# Altium PCB FMC_SDR.PcbDoc (part 4 of 4)
Units mm, origin at the board's own origin, x right, y up, seen from the top; angles counter-clockwise.
Board outline 83.63 x 69 mm, 8 copper layers (Top, Int1 [signals], Int2 [GND], Int3 [high speed], Int4 [high speed], Int5 [GND/PWR], Int6 [GND/PWR], Bottom), stack 1.579 mm thick; 242 components, 142 nets, 831 pads, 1051 vias.
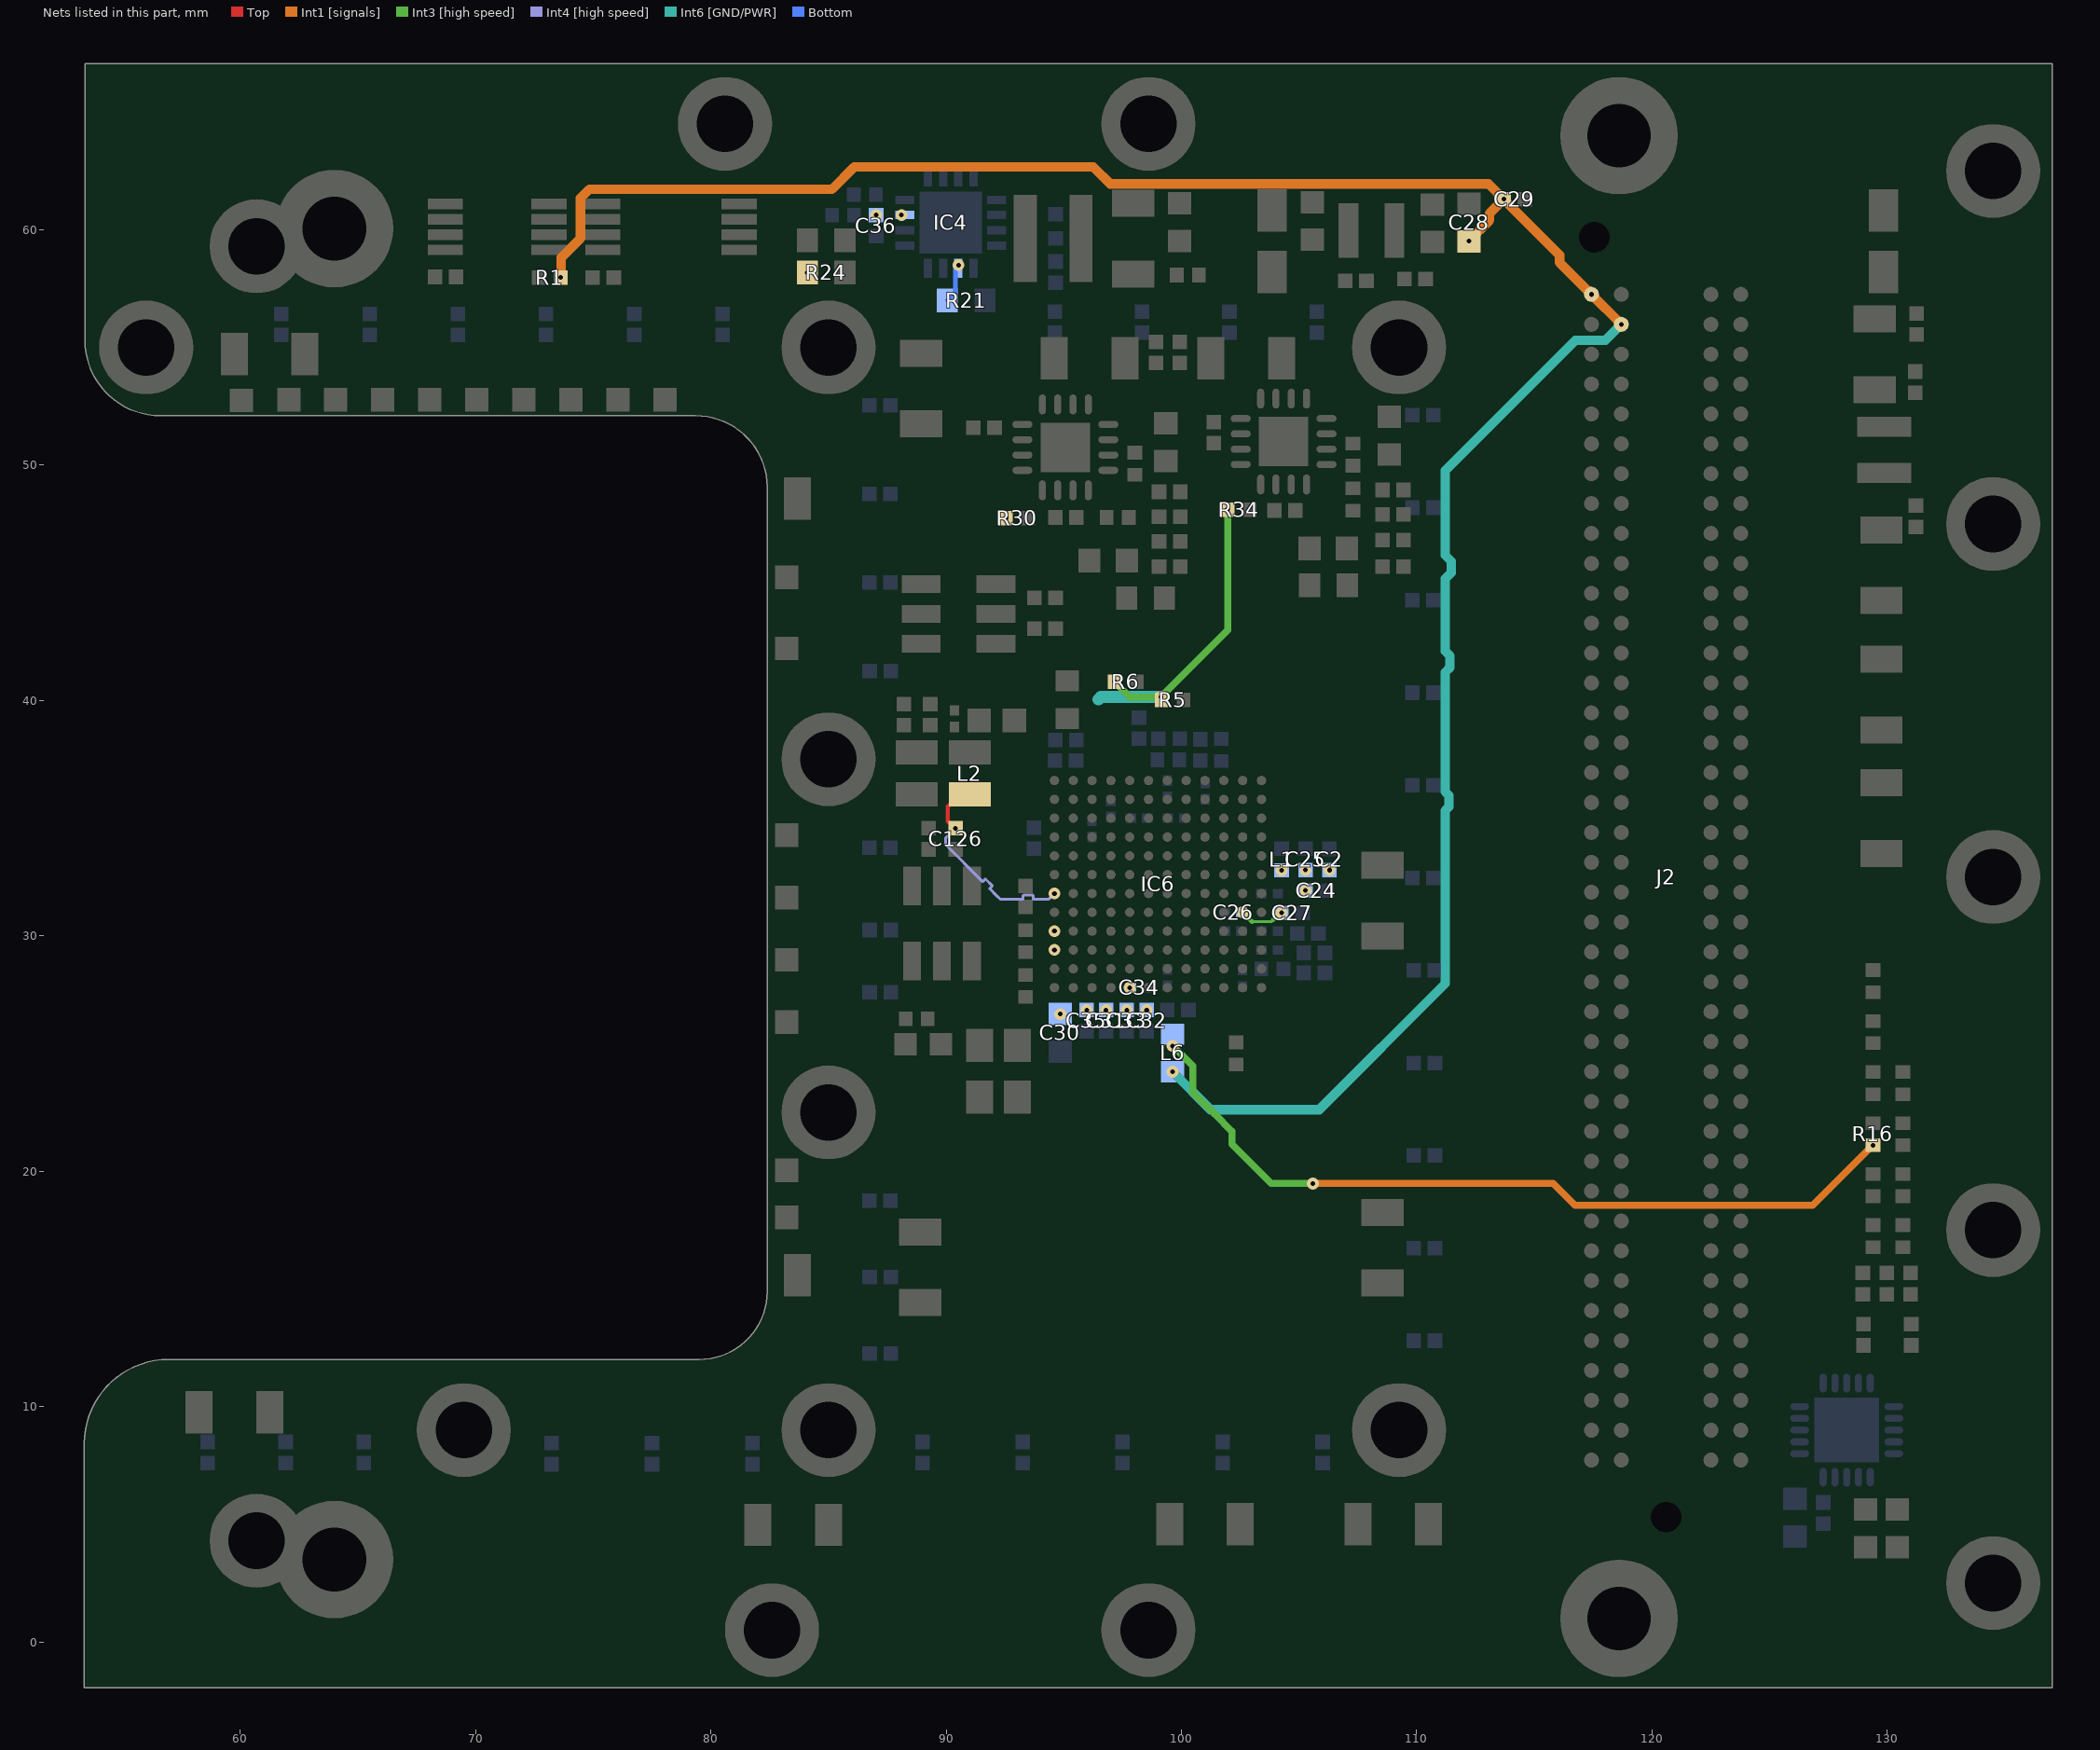
[diagram p10: the nets of this part, all layers, seen from the top]

## Via types
v1: diameter 0.5/0.5/0.5/0.5/0.5/0.5/0.5/0.5 (per signal layer), hole 0.2, Top to Bottom, tented both sides, 564 vias
v2: diameter 0.5/0.4/0.4/0.4/0.4/0.4/0.4/0.5 (per signal layer), hole 0.2, Top to Bottom, tented both sides, 182 vias
v3: diameter 0.5, hole 0.2, Top to Bottom, tented both sides, 163 vias
v4: diameter 0.6, hole 0.3, Top to Bottom, tented both sides, 118 vias
v5: diameter 0.5/0.5/0.5/0.5/0.5/0.5/0.5/0.5 (per signal layer), hole 0.2, Top to Bottom, 18 vias
v6: diameter 0.5, hole 0.2, Top to Bottom, 6 vias

## Nets (pads, with @x,y where several pads share a name; then routed paths per layer and width w, separated by ;. In a path a pad name is that pad's centre, name@x,y a point inside that pad or via, vN(x,y) a via of type N, cw(c..) or ccw(c..) an arc to the next point about the centre after c; other vN are vias at no path point) (continued)
TXA_P: C126.2 IC6.M7 L2.1 | length 9.4
  Top w0.18: v1(90.4,34.575) 90.18,34.795 90.147,34.795 90.065,34.877 90.065,35.485 90.17,35.59 90.58,35.59 L2.1@91,36.01
  Int4 [high speed] w0.12: v1(90.4,34.575) 89.985,34.16 89.985,33.87 91.537,32.317 ccw(c91.552,32.332) 91.567,32.317 91.654,32.404 cw(c91.669,32.389) 91.684,32.404 91.951,32.137 cw(c91.936,32.122) 91.951,32.107 91.864,32.02 ccw(c91.879,32.005) 91.864,31.991 92.146,31.708 92.295,31.56 93.254,31.56 ccw(c93.254,31.581) 93.275,31.581 93.275,31.704 cw(c93.296,31.704) 93.296,31.725 93.674,31.725 cw(c93.674,31.704) 93.695,31.704 93.695,31.581 ccw(c93.716,31.581) 93.716,31.56 94.115,31.56 94.325,31.56 94.363,31.56 v2(94.603,31.8)
TXB_N: IC6.M10
  other v2: 94.603,29.4
TXB_P: IC6.M9
  other v2: 94.603,30.2
VADJ: C28.2 C29.2 J2.g39 J2.h40 L6.1 R1.2 | length 100.7
  Int1 [signals] w0.4: v1(73.625,57.975) 73.644,57.994 73.644,58.821 74.46,59.637 74.46,61.344 74.841,61.725 85.15,61.725 86.09,62.665 96.26,62.665 96.975,61.95 113.05,61.95 v1(113.7,61.3) ; v1(112.217,59.525) 113.099,60.407 113.099,60.699 v1(113.7,61.3) ; v3(118.695,55.986) v3(117.425,57.256) 116.076,58.605 116.076,58.924 v1(113.7,61.3)
  Int6 [GND/PWR] w0.4: v2(99.625,24.225) 101.238,22.612 105.856,22.612 111.21,27.966 111.21,35.326 111.365,35.481 111.365,35.969 111.21,36.124 111.21,41.201 111.415,41.406 111.415,41.894 111.21,42.099 111.21,45.176 111.465,45.431 111.465,45.919 111.21,46.174 111.21,49.769 116.746,55.306 118.015,55.306 v3(118.695,55.986)
VDD_INTERFACE: C30.2 C31.2 C32.2 C33.2 C34.2 C35.2 IC6.H12 L6.2 R5.1 R6.1 R16.2 R30.2 R34.2 | length 48.7
  Int3 [high speed] w0.3: v1(97.16,40.8) 97.81,40.15 v1(99.125,40.15) 101.968,42.993 v1(101.968,48.108) ; v2(99.625,25.325) 100.481,24.469 100.481,23.355 101.145,22.691 101.161,22.691 101.407,22.445 101.407,22.429 102.146,21.691 102.146,21.143 103.075,20.214 103.814,19.475 v1(105.588,19.475)
  Int1 [signals] w0.3: v1(105.588,19.475) 115.801,19.475 116.726,18.55 126.837,18.55 v1(129.391,21.104)
  Int6 [GND/PWR] w0.5: 96.475,40.05 96.575,40.15 v1(99.125,40.15)
  other v1: 92.545,47.752
  other v2: 94.85,26.675 95.975,26.85 96.8,26.85 97.675,26.85 98.525,26.85 97.803,27.8
VDDA_GPO: C2.2 C24.2 C25.2 C26.2 C27.2 IC6.B8 L1.2 | length 2
  Int3 [high speed] w0.12: 103.003,30.6 103.821,30.6 103.91,30.689
  Int3 [high speed] w0.2: v2(102.603,31) 103.003,30.6 ; 103.91,30.689 104.196,30.975 v2(104.25,30.975)
  other v2: 105.275,31.925 104.259,32.783 105.275,32.8 106.291,32.793
VIN: C36.2 IC4.3 IC4.14 R21.2 R24.2 | length 1.7
  Bottom w0.2: R21.2@90.05,57 90.4,57.35 90.4,58.375 v1(90.525,58.5)
  other v1: 84.1,58.182 87.025,60.625 88.1,60.625
pads on no net: IC1.12 IC6.A3 IC6.M3 J2.1 J2.2 J2.c2 J2.c3 J2.c6 J2.c7 J2.d4 J2.d5 J2.d21 J2.d29 J2.d33 J2.d34 J2.g36 J2.g37 J2.h1 J2.h5 U1.8 U2.8
copper on no net:
  other v1: 127.525,13.15 130.661,25.439

## Polygon pours and split planes (outlines as drawn)
no net on Top "balancingT" (solid, pour order 122): 53.375,-1.95 53.365,8.144 cw(c56.996,8.369) 56.771,12 79.294,12 ccw(c79.482,14.918) 82.4,14.73 82.4,49.05 ccw(c79.35,49.05) 79.35,52.1 56.609,52.1 cw(c56.609,55.309) 53.4,55.309 53.4,67.05 137,67.05 137,-1.95 131.825,-1.95
GND on Top "GND_L01_P120" (solid, pour order 120): 121.175,26.575 121.475,26.275 124.1,26.275 124.425,26.6 124.425,28.4 124.175,28.65 123.45,28.65 123.15,28.35 123.15,27.725 122.7,27.275 121.425,27.275 121.175,27.025
no net on Bottom "balancingT" (solid, pour order 128): 53.36,-2.025 53.35,8.069 cw(c56.981,8.294) 56.756,11.925 79.279,11.925 ccw(c79.467,14.843) 82.385,14.655 82.385,48.975 ccw(c79.335,48.975) 79.335,52.025 56.594,52.025 cw(c56.594,55.234) 53.385,55.234 53.385,66.975 136.985,66.975 136.985,-2.025 131.81,-2.025
GND on Bottom "GND_L08_P126" (solid, pour order 126): 86.567,26.512 86.567,7.917 86.85,7.634 108.673,7.634 110.95,9.911 110.95,54.775 109.275,56.45 86.687,56.45 86.625,56.387 86.625,27.675 89,27.675 89,51.485 cw(c91.54,51.485) 91.54,54.025 105.76,54.025 cw(c105.76,51.485) 108.3,51.485 108.3,12.565 cw(c105.76,12.565) 105.76,10.025 91.527,10.025 cw(c91.527,12.565) 88.987,12.565 88.987,27.675 86.575,27.675 86.575,26.25
SH on Bottom "SH_L08_P096" (solid, pour order 96): 87.075,7 108.735,7 ccw(c108.735,9.54) 111.275,9.54 111.275,54.485 ccw(c108.735,54.485) 108.735,57.025 87.075,57.025 87.075,56.075 110.381,56.075 110.381,7.9 87.075,7.9
GND on Bottom "GND_L08_P098" (solid, pour order 98): 53.375,-1.95 53.375,8.492 cw(c56.882,8.492) 56.882,11.999 79.5,12 ccw(c79.475,14.925) 82.4,14.95 82.4,49.009 ccw(c79.33,49.03) 79.35,52.1 56.608,52.1 cw(c56.592,55.292) 53.4,55.277 53.4,67.05 55.275,67.05 55.275,56.036 86,56.036 86,8.025 55.275,8.025 55.275,-1.95
SH on Bottom "SH_L08_P000" (solid, pour order 0): 56,7 87.075,7 87.075,57.025 55.9,57.025 55.9,56.05 86.031,56.05 86.031,7.925 56,7.925 56,7.35
GND on Int1 [signals] "GND_L02_P108" (hatched 45Degree grid 0.5 track 0.3, pour order 108): 53.375,-1.95 53.364,8.144 cw(c56.996,8.369) 56.771,12 79.293,12 ccw(c79.481,14.918) 82.4,14.73 82.4,49.05 ccw(c79.35,49.05) 79.35,52.1 56.608,52.1 cw(c56.608,55.309) 53.4,55.309 53.4,67.05 137,67.05 137,-1.95 131.825,-1.95
SH on Int1 [signals] "SH_L02_P060" (hatched 90Degree grid 0.5 track 0.3, pour order 60): 53,-2 53,9.025 131.79,9.025 131.79,62.55 66.711,62.55 66.711,52 56.227,52 cw(c56.227,55.227) 53,55.227 53,67 137,67 137,-2 127.625,-2
no net on Int1 [signals] "NONET_L02_P092" (hatched 45Degree grid 0.6 track 0.4, pour order 92): 104.3,53.325
GND on Int6 [GND/PWR] "GND_L07_P114" (hatched 45Degree grid 0.65 track 0.45, pour order 114): 137,-1.95 137,67.05 53.4,67.05 53.4,55.262 ccw(c56.601,55.301) 56.641,52.099 79.355,52.095 cw(c79.344,49.041) 82.398,49.029 82.4,14.713 cw(c79.472,14.927) 79.258,12 56.824,12 ccw(c56.956,8.407) 53.363,8.274 53.375,-1.95
P3V3 on Int6 [GND/PWR] "P3V3_L07_P086" (hatched 45Degree grid 0.65 track 0.45, pour order 86): 116.821,61.667 121.322,61.667 124.425,58.564 124.425,53.225 123.975,52.775 123.569,52.775 122.043,51.25 121.625,51.25 118.695,48.32 118.695,28.445 113.9,23.65 111.9,25.65 111.9,50.475 116.821,55.396
VDD_INTERFACE on Int6 [GND/PWR] "VDD_INTERFACE_L07_P080" (hatched 45Degree grid 0.65 track 0.45, pour order 80): 94.55,29.263 89.054,34.759 89.054,39.579 89.275,39.8 99.262,39.8 102.908,43.446 102.908,49.25 99.564,49.25 92.138,49.25 86.331,43.443 86.331,32.186 91.986,26.531
VDD_INTERFACE on Int6 [GND/PWR] "VDD_INTERFACE_L07_P026" (solid, pour order 26): 93.35,25.15 91.451,27.049 94.603,30.2 96.2,30.2 98.7,27.7 98.7,26.425 98.975,26.15 100.05,26.15 100.425,25.775 100.425,25.425 100.15,25.15
1P3_SUPPLY_B on Int6 [GND/PWR] "1P3_SUPPLY_B_L07_P082" (hatched 45Degree grid 0.65 track 0.45, pour order 82): 104.825,26.175 109.3,26.175 111.669,28.544 111.669,42.567 108.036,46.2 103.005,46.2 103.005,43.195 103.613,42.587 103.613,35.3 106.775,35.3 107.175,34.9 107.175,30.925 104.825,28.575
P3V3 on Int6 [GND/PWR] "P3V3_L07_P090" (hatched 45Degree grid 0.65 track 0.45, pour order 90): 82.025,12.55 107.375,12.55 118.695,23.87 118.695,28.445 111.689,28.445 107.494,24.25 95.709,24.25 89.334,17.875 83.9,17.875 82.025,16
1P3_SUPPLY_A on Int6 [GND/PWR] "1P3_SUPPLY_A_L07_P030" (solid, pour order 30): 103.4,35.15 103.4,42.8 100.75,45.45 99.6,45.45 97.6,43.45 97.6,35.15
VIN on Int6 [GND/PWR] "VIN_L07_P040" (solid, pour order 40): 83.35,59.825 83.35,58.334 84.334,57.35 91.275,57.35 91.725,57.8 91.725,58.8 91.525,59 91.525,59.95 90.5,60.975 84.5,60.975
P3V3_AUX on Int6 [GND/PWR] "P3V3_AUX_L07_P074" (hatched 45Degree grid 0.65 track 0.45, pour order 74): 130.2,5.45 132,7.25 131.95,7.3 131.95,20.375 131.8,20.525 130.85,20.525 125.53,15.205 125.53,5.45
P1V8 on Int6 [GND/PWR] "P1V8_L07_P038" (solid, pour order 38): 96.175,60.15 92.575,63.75 87.325,63.75 85.375,61.8 85.375,60.525 85.875,60.025 86.35,60.025 86.525,60.2 86.525,60.6 87.075,61.15 90.825,61.15 91.9,60.075
NetC39_1 on Int6 [GND/PWR] "NETC39_1_L07_P084" (hatched 45Degree grid 0.65 track 0.45, pour order 84): 103.06,46.2 107.737,46.2 109.441,47.904 109.441,56.909 108.35,58 108.35,61.775 107.85,62.275 103.506,62.275 102.225,60.994 102.225,59.436 104.425,57.236 104.425,52.35 104.225,52.15 103.653,52.15 103.403,51.9 103.403,49.978 102.9,49.475 103.06,49.315
SH on Int6 [GND/PWR] "SH_L07_P018" (hatched 45Degree grid 0.65 track 0.45, pour order 18): 53,8.467 cw(c56.533,8.467) 56.533,12 110.441,12 117.195,5.246 130.307,5.246 132.25,7.188 132.25,59.016 131.126,60.14 122.849,60.14 120.829,62.16 111.875,62.16 111.123,62.911 103.486,62.911 101.075,60.5 96.3,60.5 92.766,64.034 87.259,64.034 83.15,59.926 83.15,58.534 84.641,57.042 87.475,57.042 88.26,56.257 88.26,52.216 86.919,50.874 86.919,40.469 86.55,40.1 86.55,18.907 86.058,18.415 84.115,18.415 83.03,17.33 83.03,10.65 81.675,10.65 81.675,13.475 81.65,13.5 82,13.85 82,49.46 ccw(c79.46,49.46) 79.46,52 56.227,52 cw(c56.227,55.227) 53,55.227 53,67 137,67 137,-2 53,-2
P1V8 on Int6 [GND/PWR] "P1V8_L07_P046" (hatched 45Degree grid 0.65 track 0.45, pour order 46): 91.575,60.15 91.575,50.75 93.025,49.3 102.7,49.3 103.403,50.003 103.403,51.9 103.653,52.15 104.225,52.15 104.425,52.35 104.425,57.236 101.511,60.15
VDDA_GPO on Int6 [GND/PWR] "VDDA_GPO_L07_P036" (solid, pour order 36): 106.225,29.975 106.825,30.575 106.825,35.1 103.425,35.1 103.425,30.35 103.8,29.975
1P3_SUPPLY_B on Int6 [GND/PWR] "1P3_SUPPLY_B_L07_P056" (solid, pour order 56): 88.8,39.6 88.8,36.953 92.15,36.953 92.15,39.6
1P3_SUPPLY_B on Int6 [GND/PWR] "1P3_SUPPLY_B_L07_P042" (solid, pour order 42): 89.402,34.601 89.402,36.604 89.264,36.989 91.863,39.587 101.725,29.725 105.925,29.725 105.925,27.275 104.825,26.175 97.828,26.175
P3V3 on Int6 [GND/PWR] "P3V3_L07_P078" (hatched 45Degree grid 0.65 track 0.45, pour order 78): 120.625,55.187 119.262,56.55 111.925,56.55 111.125,57.35 111.125,61.375 111.55,61.8 117.3,61.8 121,58.1 120.625,57.725
1P3_SUPPLY_B on Int6 [GND/PWR] "1P3_SUPPLY_B_L07_P028" (solid, pour order 28): 100.203,34.2 103.425,34.2 103.425,35.301 104.126,35.301 104.126,37.838 100.448,37.838 100.448,35.347 100.203,35.347
1P3_SUPPLY_A on Int6 [GND/PWR] "1P3_SUPPLY_A_L07_P032" (solid, pour order 32): 95.075,34.925 95.375,34.625 97.35,34.625 97.35,33.4 101.83,28.92 103.4,28.92 103.4,35.15 98.898,39.652 95.57,39.652 95.075,39.157
P12V0 on Int6 [GND/PWR] "P12V0_L07_P022" (hatched 45Degree grid 0.65 track 0.45, pour order 22): 131.95,50.6 131.95,42.337 130.852,41.238 127.5,41.238 123.129,45.609 123.129,53.75 125.625,53.75 128.775,50.6
P3V3 on Int6 [GND/PWR] "P3V3_L07_P054" (solid, pour order 54): 122.505,51.714 121.561,51.714 120.625,52.65 120.625,57.725 121,58.1 122.747,56.353 122.747,51.956
P3V3_AUX on Int6 [GND/PWR] "P3V3_AUX_L07_P008" (hatched 45Degree grid 0.65 track 0.45, pour order 8): 67.35,57.285 77.05,57.285 77.05,61.4 67.35,61.4
P12V0A on Int6 [GND/PWR] "P12V0A_L07_P034" (hatched 45Degree grid 0.65 track 0.45, pour order 34): 128.075,59.6 131.126,59.6 131.975,58.751 131.975,51.3 131.95,51.275 131.95,50.6 128.775,50.6 128.775,53.002 128.552,53.225 128.552,54.748 127.725,55.575 127.725,59.226 128.075,59.576
P3V3 on Int6 [GND/PWR] "P3V3_L07_P076" (solid, pour order 76): 108.35,61.775 108.35,58 109,57.35 111.125,57.35 111.55,57.775 111.55,61.8 110.95,62.4 108.975,62.4
no net on Int6 [GND/PWR] "NONET_L07_P064" (hatched 45Degree grid 0.65 track 0.45, pour order 64): 122.025,54.1
GND on Int5 [GND/PWR] "GND_L06_P088" (hatched 45Degree grid 0.6 track 0.4, pour order 88): 137,-1.95 137,67.05 53.4,67.05 53.4,55.262 ccw(c56.601,55.301) 56.641,52.099 79.355,52.095 cw(c79.344,49.041) 82.398,49.029 82.4,14.713 cw(c79.472,14.927) 79.258,12 56.824,12 ccw(c56.956,8.407) 53.363,8.274 53.375,-1.95
NetC57_2 on Int5 [GND/PWR] "NETC57_2_L06_P052" (solid, pour order 52): 96.352,51.133 96.352,50.435 96.754,50.033 98.177,50.033 98.577,49.633 98.577,47.387 97.3,46.11 97.3,43.952 97.577,43.675 98.275,43.675 98.5,43.9 98.5,44.095 99.564,45.159 99.564,49.464 99.85,49.75 99.85,50.575 99.6,50.825 98.919,50.825 96.621,53.123 95.278,53.123 95.033,52.877 95.033,52.453
P12V0 on Int5 [GND/PWR] "P12V0_L06_P016" (hatched 45Degree grid 0.6 track 0.4, pour order 16): 123.775,49.636 109.814,49.636 106.1,53.35 95.525,53.35 88.05,45.875 82.525,45.875 82.525,50.725 85,50.725 96.575,62.3 120.125,62.3 125.35,57.075 125.35,51.211
NetC39_1 on Int5 [GND/PWR] "NETC39_1_L06_P014" (hatched 45Degree grid 0.6 track 0.4, pour order 14): 91.6,59.6 90.425,58.425 90.425,57.75 91.275,56.9 106.75,56.9 107.875,58.025 107.875,61.7 107.325,62.25 96.625,62.25 95.975,61.6 93.95,61.6 93.95,58.45 93.725,58.225 92.925,58.225 92.675,58.475
NetIC4_9 on Int5 [GND/PWR] "NETIC4_9_L06_P010" (solid, pour order 10): 91.975,59.35 92.925,58.4 93.75,58.4 93.9,58.55 93.9,61.65 91.775,61.65 91.65,61.525 91.65,59.65 91.975,59.325
NetC73_2 on Int5 [GND/PWR] "NETC73_2_L06_P050" (solid, pour order 50): 105.752,51.483 105.752,50.786 106.154,50.384 107.577,50.384 107.977,49.984 107.977,47.738 106.7,46.461 106.7,44.425 107.88,44.425 108.964,45.509 108.964,49.815 109.25,50.101 109.25,50.926 109,51.176 108.319,51.176 106.021,53.473 104.678,53.473 104.433,53.228 104.433,52.803
no net on Int3 [high speed] "NONET_L04_P066" (hatched 45Degree grid 0.6 track 0.4, pour order 66): 102.603,30.2
no net on Int3 [high speed] "NONET_L04_P048" (hatched 45Degree grid 0.6 track 0.4, pour order 48): 90.725,59.95
GND on Int2 [GND] "GND_L03_P112" (hatched 45Degree grid 0.55 track 0.35, pour order 112): 53.421,-1.95 53.411,8.144 cw(c57.042,8.369) 56.817,12 79.34,12 ccw(c79.528,14.918) 82.446,14.73 82.446,49.05 ccw(c79.396,49.05) 79.396,52.1 56.655,52.1 cw(c56.655,55.309) 53.446,55.309 53.446,67.05 137.046,67.05 137.046,-1.95 131.871,-1.95
GND on Int2 [GND] "GND_L03_P011" (solid, pour order 11): 94.075,25.499 105.781,25.5 105.781,38.911 94.075,38.911
no net on Bottom Solder (solid): 53.375,57.35 53.375,55.333 ccw(c56.608,55.333) 56.608,52.1 79.35,52.1 cw(c79.35,49.051) 82.399,49.051 82.399,14.899 cw(c79.499,14.899) 79.499,12 56.95,12 ccw(c56.95,8.425) 53.375,8.425 53.375,6.597 111.65,6.597 111.65,57.35
no net on Bottom Solder (solid): 53.375,7.8 55.675,7.8 55.675,-1.95 53.375,-1.95
no net on Bottom Solder (solid): 53.375,67.05 55.675,67.05 55.675,57.3 53.375,57.3
no net on Top Solder (solid): 83.175,7.45 87.905,7.45 87.905,8.2 87.15,8.2 87.15,11.3 85.023,11.3 85.023,9.325 82.8,9.325 82.8,7.45 83.225,7.45
no net on Top Solder (solid): 53.4,67.05 53.4,55.308 ccw(c56.608,55.308) 56.608,52.1 58.55,52.1 58.55,67.05
no net on Top Solder (solid): 86.9,56.909 86.9,55.9 110.175,55.9 110.175,56.909
no net on Top Solder (solid): 107.852,7.434 108.676,8.258 107.801,9.133 107.597,9.133 106.851,8.387 106.851,7.434
no net on Top Solder (solid): 84.9,24.675 86.125,24.675 86.125,20.225 84.9,20.225
no net on Top Solder (solid): 82.375,38.675 82.375,36.625 83.65,36.625 85.075,35.2 86.025,35.2 86.025,39.675 85.95,39.75 85.313,39.75 84.238,38.675
no net on Top Solder (solid): 111.3,21.45 111.3,9.844 110.44,8.983 110.44,21.265 110.65,21.475 111.325,21.475
no net on Top Solder (solid): 110.775,21.875
no net on Top Solder (solid): 110.775,52.125 110.375,52.125 109.481,53.019 109.481,53.875 110.475,53.875 110.825,53.525 110.775,53.475
1P3_SUPPLY_A on Int4 [high speed] "1P3_SUPPLY_A_L05_P068" (solid, pour order 68): 102.203,30.425 104.6,30.425 105.85,30.425 106.65,29.625 106.65,28.25 105.9,27.5 105.35,27.5 104.375,28.475 103.293,28.475 102.768,29 102.437,29 102.203,29.234

## Keep-outs
Keep-Out Layer:
  drawing of 4940 lines, arcs and shapes, not listed

## Other copper
Top:
  region net SH: 79.376,56.09 108.787,56.09 cw(c108.787,54.463) 109.938,55.613 cw(c108.957,54.632) 110.344,54.632 110.344,21 111.244,21.002 111.244,55.545 ccw(c109.818,55.545) 110.827,56.553 ccw(c109.784,55.511) 109.784,56.985 79.377,56.985
  region net SH: 110.34,38.874 110.34,9.463 cw(c108.713,9.462) 109.863,8.312 cw(c108.882,9.293) 108.882,7.906 84.3,7.906 84.301,7.006 109.795,7.006 ccw(c109.795,8.432) 110.803,7.423 ccw(c109.761,8.466) 111.235,8.466 111.235,38.873
  region net SH: 55.899,56.052 84.508,56.052 cw(c84.508,54.426) 85.658,55.576 cw(c84.677,54.595) 86.064,54.595 86.064,36.958 86.965,36.959 86.965,55.508 ccw(c85.539,55.508) 86.547,56.516 ccw(c85.505,55.473) 85.504,56.948 55.901,56.948
  region net SH: 86.09,38.874 86.09,9.463 cw(c84.463,9.462) 85.613,8.312 cw(c84.632,9.293) 84.632,7.906 56,7.906 56.001,7.006 85.545,7.006 ccw(c85.545,8.432) 86.553,7.423 ccw(c85.511,8.466) 86.985,8.466 86.985,38.873
  pour cut-out: 67.85,6.415 81.075,6.415 81.075,3.475 67.825,3.475 67.825,6.425
  region net SH: 54.75,6 54.75,-1.95 137,-1.95 137,67.05 54.75,67.05 54.75,57.5 66.425,57.5 66.425,62 131.975,62 131.975,3 66.425,3 66.425,6
  region net SH: 56.375,3.725
  text "1" at 68.941,4.536 h0.8
Int2 [GND]:
  pour cut-out: 68.225,5.936 76.45,5.936 76.45,4.086 68.225,4.086
  text "3" at 70.616,4.561 h0.8
Int3 [high speed]:
  pour cut-out: 68.275,5.936 68.275,4.086 76.45,4.086 76.45,5.936
  text "4" at 71.6,4.55 h0.8
Int1 [signals]:
  pour cut-out: 68.309,5.942 76.425,5.942 76.425,4.078 68.309,4.078
  text "2" at 69.641,4.561 h0.8
Int4 [high speed]:
  pour cut-out: 68.25,5.936 76.35,5.936 76.35,4.061 68.25,4.061
  text "5" at 72.525,4.6 h0.8
Int5 [GND/PWR]:
  pour cut-out: 68.325,5.936 76.4,5.936 76.4,4.082 68.325,4.082
  text "6" at 73.4,4.6 h0.8
Int6 [GND/PWR]:
  pour cut-out: 76.525,5.936 76.525,4.125 68.125,4.125 68.125,5.936
  text "7" at 74.275,4.594 h0.8
Bottom:
  pour cut-out: 66.89,6.375 66.89,2.675 74.5,2.675 74.5,6.275 66.925,6.275
  pour cut-out: 89.1,57.25 89.1,55.525 92.7,55.525 92.7,57.725 89.1,57.725
  text "8" at 75.2,4.65 h0.8

## Silkscreen, mask and mechanical layers (free items; w line width, h text height)
Top Overlay:
  text ".Layer_Name" at 104.16,-33.39 h1.91
Bottom Overlay:
  text ".Layer_Name" at 142.26,-33.39 h1.91
Top Paste:
  text ".Layer_Name" at 104.16,-38.47 h1.91
Bottom Paste:
  text ".Layer_Name" at 142.26,-38.47 h1.91
Top Solder:
  circle w0.8: c69.531,8.975 r1.25
  circle w0.8: c85.008,55.034 r1.25
  circle w0.8: c85.031,22.5 r1.25
  circle w0.8: c56.006,55 r1.25
  circle w0.8: c85.008,37.475 r1.25
  circle w0.8: c85.008,8.975 r1.25
  circle w0.8: c109.248,55 r0.8
  circle w0.8: c109.256,9 r0.8
  rectangle: 68.275,4.25 76.675,5.825
  region: 53.375,7.15 53.374,-1.95 137,-1.95 137,67.05 54.35,67.05 54.35,57.1 66.825,57.1 66.825,61.6 131.575,61.6 131.575,3.4 66.825,3.4 66.825,7.15
  region: 85.7,39.552 85.7,8.225 53.375,8.225 53.377,6.85 87.075,6.85 87.075,39.549
  region: 109.925,38.875 109.925,7.964 84.3,7.964 84.301,7.188 110.725,7.188 110.725,38.873
  region: 82.466,56.075 110.398,56.075 110.398,21 110.975,21.001 110.975,56.525 82.467,56.525
  region: 55.899,55.8 85.7,55.8 85.7,36.957 87.15,36.96 87.15,57.025 55.901,57.025
  pour cut-out: 93.2,37.935 104.75,37.935 104.75,26.4 93.2,26.4
  region: 79.475,12.125
  lines w0.55: 83.5,36.161 ccw(c85.008,37.475) 84.702,35.499 cw(c84.473,34.016) 85.973,34.016 85.973,25.957
  lines w0.8: 53.732,7 109.731,7 ccw(c109.731,8.5) 111.231,8.5 111.231,8.718 ccw(c109.248,8.975) 111.231,9.232 111.231,54.743 ccw(c109.248,55) 111.231,55.257 111.231,55.475 ccw(c109.731,55.475) 109.731,56.975 53.806,56.975 ; 53.732,7.85 66.071,7.85 ; 55.146,53.015 56.155,53.015 ccw(c55.996,55.009) 57.972,54.704 ; 58.15,54.95 cw(c59.369,54.95) 59.369,56.169 59.458,56.169 81.556,56.169 81.764,56.169 cw(c81.764,54.899) 83.034,54.899 ; 66.284,7.85 ccw(c66.284,9.12) 67.554,9.12 67.554,9.275 cw(c69.531,8.975) 71.509,9.275 ; 71.509,9.095 ccw(c72.779,9.095) 72.779,7.825 82.175,7.825 ccw(c82.175,8.681) 83.031,8.681 83.031,9.275 cw(c85.008,8.975) 84.702,10.952 ccw(c84.473,12.434) 85.973,12.434 85.973,19.043 ccw(c84.473,19.043) 84.709,20.525 cw(c85.023,22.5) 84.709,24.475 ccw(c84.473,25.957) 85.973,25.957 ; 72.992,7.8 81.548,7.8 ; 82.375,36.725 cw(c82.375,35.225) 83.506,36.211 ; 82.375,38.675 83.408,38.675 cw(c85.008,37.475) 84.702,39.451 ccw(c84.473,40.934) 85.973,40.934 85.973,51.575 ccw(c84.473,51.575) 84.702,53.057 cw(c85.008,55.034) 83.034,54.714 ; 88.304,56.11 ccw(c88.304,54.629) 86.823,54.629 86.823,9.605 ccw(c88.575,9.605) 88.575,7.853 ; 88.304,56.125 105.788,56.125 106.001,56.125 cw(c106.001,54.855) 107.271,54.855 ; 88.575,7.8 105.818,7.8 106.001,7.8 ccw(c106.001,9.07) 107.271,9.07 ; 107.259,8.764 cw(c109.248,8.975) 108.953,10.953 ccw(c108.731,12.437) 110.231,12.437 110.231,51.538 ccw(c108.731,51.538) 108.953,53.022 cw(c109.248,55) 107.271,54.7
Bottom Solder:
  drawing of 50 lines, arcs and shapes, not listed
Mechanical 1:
  drawing of 704 lines, arcs and shapes, not listed
  text "Layer" at 149.161,143.284 h1.52
  text "Name" at 159.573,143.284 h1.52
  text "Material" at 186.997,143.284 h1.52
  text "Thickness" at 201.217,143.284 h1.52
  text "Constant" at 217.723,143.284 h1.52
  text "Board Layer Stack" at 232.198,143.284 h1.52
  text "1" at 149.161,140.236 h1.52
  text "Top Solder" at 159.573,140.236 h1.52
  text "SM-001" at 186.997,140.236 h1.52
  text "1,00mil" at 201.217,140.236 h1.52
  text "4" at 217.723,140.236 h1.52
  text "2" at 149.161,137.188 h1.52
  text "Top" at 159.573,137.188 h1.52
  text "Copper" at 186.997,137.188 h1.52
  text "1,38mil" at 201.217,137.188 h1.52
  text "3" at 149.161,134.14 h1.52
  text "Dielectric 1" at 159.573,134.14 h1.52
  text "FR408HR" at 186.997,134.14 h1.52
  text "5,29mil" at 201.217,134.14 h1.52
  text "3,32" at 217.723,134.14 h1.52
  text "4" at 149.161,131.092 h1.52
  text "Int1 [signals]" at 159.573,131.092 h1.52
  text "Copper" at 186.997,131.092 h1.52
  text "1,38mil" at 201.217,131.092 h1.52
  text "5" at 149.161,128.044 h1.52
  text "Dielectric 2" at 159.573,128.044 h1.52
  text "FR408HR" at 186.997,128.044 h1.52
  text "10,00mil" at 201.217,128.044 h1.52
  text "3,68" at 217.723,128.044 h1.52
  text "6" at 149.161,124.996 h1.52
  text "Int2 [GND]" at 159.573,124.996 h1.52
  text "Copper" at 186.997,124.996 h1.52
  text "1,38mil" at 201.217,124.996 h1.52
  text "7" at 149.161,121.948 h1.52
  text "Dielectric 3" at 159.573,121.948 h1.52
  text "FR408HR" at 186.997,121.948 h1.52
  text "5,28mil" at 201.217,121.948 h1.52
  text "3,32" at 217.723,121.948 h1.52
  text "8" at 149.161,118.9 h1.52
  text "Int3 [high speed]" at 159.573,118.9 h1.52
  text "Copper" at 186.997,118.9 h1.52
  text "1,38mil" at 201.217,118.9 h1.52
  text "9" at 149.161,115.852 h1.52
  text "Dielectric 4" at 159.573,115.852 h1.52
  text "FR408" at 186.997,115.852 h1.52
  text "10,00mil" at 201.217,115.852 h1.52
  text "3,68" at 217.723,115.852 h1.52
  text "10" at 149.161,112.804 h1.52
  text "Int4 [high speed]" at 159.573,112.804 h1.52
  text "Copper" at 186.997,112.804 h1.52
  text "1,38mil" at 201.217,112.804 h1.52
  text "R" at 51.005,110.092 h2.8
  text "e" at 52.286,110.092 h2.8
  text "q" at 53.568,110.092 h2.8
  text "u" at 54.849,110.092 h2.8
  text "i" at 56.131,110.092 h2.8
  text "r" at 56.771,110.092 h2.8
  text "e" at 57.572,110.092 h2.8
  text "d" at 58.854,110.092 h2.8
  text "T" at 60.616,110.092 h2.8
  text "e" at 61.737,110.092 h2.8
  text "c" at 63.019,110.092 h2.8
  text "h" at 63.98,110.092 h2.8
  text "n" at 65.261,110.092 h2.8
  text "o" at 66.543,110.092 h2.8
  text "l" at 67.824,110.092 h2.8
  text "o" at 68.465,110.092 h2.8
  text "g" at 69.746,110.092 h2.8
  text "y" at 70.868,110.092 h2.8
  text ":" at 71.989,110.092 h2.8
  text "11" at 149.161,109.756 h1.52
  text "Dielectric 6" at 159.573,109.756 h1.52
  text "FR408HR" at 186.997,109.756 h1.52
  text "5,28mil" at 201.217,109.756 h1.52
  text "3,32" at 217.723,109.756 h1.52
  text "C" at 14.633,106.888 h2.8
  text "A" at 15.914,106.888 h2.8
  text "P" at 17.356,106.888 h2.8
  text "P" at 18.637,106.888 h2.8
  text "E" at 19.919,106.888 h2.8
  text "D" at 21.04,106.888 h2.8
  text "V" at 22.962,106.888 h2.8
  text "I" at 24.404,106.888 h2.8
  text "A" at 25.045,106.888 h2.8
  text "S" at 26.487,106.888 h2.8
  text "A" at 51.97,106.888 h2.8
  text "l" at 53.412,106.888 h2.8
  text "l" at 54.053,106.888 h2.8
  text "s" at 55.174,106.888 h2.8
  text "m" at 56.135,106.888 h2.8
  text "a" at 58.057,106.888 h2.8
  text "l" at 59.179,106.888 h2.8
  text "l" at 59.819,106.888 h2.8
  text "v" at 60.941,106.888 h2.8
  text "i" at 62.062,106.888 h2.8
  text "a" at 62.703,106.888 h2.8
  text "s" at 63.824,106.888 h2.8
  text "(" at 65.266,106.888 h2.8
  text "h" at 66.067,106.888 h2.8
  text "o" at 67.348,106.888 h2.8
  text "l" at 68.63,106.888 h2.8
  text "e" at 69.27,106.888 h2.8
  text "s" at 70.552,106.888 h2.8
  text "b" at 71.993,106.888 h2.8
  text "e" at 73.275,106.888 h2.8
  text "l" at 74.556,106.888 h2.8
  text "o" at 75.197,106.888 h2.8
  text "w" at 76.479,106.888 h2.8
  text "0" at 78.721,106.888 h2.8
  text "." at 79.843,106.888 h2.8
  text "9" at 80.483,106.888 h2.8
  text "m" at 81.605,106.888 h2.8
  text "m" at 83.527,106.888 h2.8
  text ")" at 85.449,106.888 h2.8
  text "s" at 86.73,106.888 h2.8
  text "h" at 87.692,106.888 h2.8
  text "a" at 88.973,106.888 h2.8
  text "l" at 90.094,106.888 h2.8
  text "l" at 90.735,106.888 h2.8
  text "b" at 91.856,106.888 h2.8
  text "e" at 93.138,106.888 h2.8
  text "c" at 94.9,106.888 h2.8
  text "a" at 95.861,106.888 h2.8
  text "p" at 96.982,106.888 h2.8
  text "p" at 98.264,106.888 h2.8
  text "e" at 99.545,106.888 h2.8
  text "d" at 100.827,106.888 h2.8
  text "." at 102.108,106.888 h2.8
  text "12" at 149.161,106.708 h1.52
  text "Int5 [GND/PWR]" at 159.573,106.708 h1.52
  text "Copper" at 186.997,106.708 h1.52
  text "1,38mil" at 201.217,106.708 h1.52
  text "13" at 149.161,103.66 h1.52
  text "Dielectric 7" at 159.573,103.66 h1.52
  text "FR408HR" at 186.997,103.66 h1.52
  text "10,00mil" at 201.217,103.66 h1.52
  text "3,68" at 217.723,103.66 h1.52
  text "O" at 46.016,102.884 h2.8
  text "n" at 47.617,102.884 h2.8
  text "t" at 49.38,102.884 h2.8
  text "w" at 50.18,102.884 h2.8
  text "o" at 51.942,102.884 h2.8
  text "m" at 53.705,102.884 h2.8
  text "i" at 55.627,102.884 h2.8
  text "d" at 56.267,102.884 h2.8
  text "d" at 57.549,102.884 h2.8
  text "l" at 58.83,102.884 h2.8
  text "e" at 59.471,102.884 h2.8
  text "l" at 61.233,102.884 h2.8
  text "a" at 61.874,102.884 h2.8
  text "y" at 62.995,102.884 h2.8
  text "e" at 64.117,102.884 h2.8
  text "r" at 65.398,102.884 h2.8
  text "s" at 66.199,102.884 h2.8
  text "(" at 67.641,102.884 h2.8
  text "4" at 68.442,102.884 h2.8
  text "a" at 70.043,102.884 h2.8
  text "n" at 71.165,102.884 h2.8
  text "d" at 72.446,102.884 h2.8
  text "5" at 74.208,102.884 h2.8
  text ")" at 75.33,102.884 h2.8
  text "t" at 76.611,102.884 h2.8
  text "h" at 77.412,102.884 h2.8
  text "e" at 78.693,102.884 h2.8
  text "r" at 79.975,102.884 h2.8
  text "e" at 80.776,102.884 h2.8
  text "a" at 82.538,102.884 h2.8
  text "r" at 83.659,102.884 h2.8
  text "e" at 84.46,102.884 h2.8
  text "m" at 86.222,102.884 h2.8
  text "u" at 88.144,102.884 h2.8
  text "c" at 89.426,102.884 h2.8
  text "h" at 90.387,102.884 h2.8
  text "l" at 92.149,102.884 h2.8
  text "e" at 92.79,102.884 h2.8
  text "s" at 94.071,102.884 h2.8
  text "s" at 95.032,102.884 h2.8
  text "c" at 96.474,102.884 h2.8
  text "o" at 97.435,102.884 h2.8
  text "p" at 98.717,102.884 h2.8
  text "p" at 99.998,102.884 h2.8
  text "e" at 101.28,102.884 h2.8
  text "r" at 102.561,102.884 h2.8
  text "t" at 103.842,102.884 h2.8
  text "h" at 104.643,102.884 h2.8
  text "a" at 105.925,102.884 h2.8
  text "n" at 107.046,102.884 h2.8
  text "14" at 149.161,100.612 h1.52
  text "Int6 [GND/PWR]" at 159.573,100.612 h1.52
  text "Copper" at 186.997,100.612 h1.52
  text "1,38mil" at 201.217,100.612 h1.52
  text "C" at 14.633,99.68 h2.8
  text "O" at 15.914,99.68 h2.8
  text "P" at 17.516,99.68 h2.8
  text "P" at 18.798,99.68 h2.8
  text "E" at 20.079,99.68 h2.8
  text "R" at 21.2,99.68 h2.8
  text "B" at 22.962,99.68 h2.8
  text "A" at 24.244,99.68 h2.8
  text "L" at 25.686,99.68 h2.8
  text "A" at 26.647,99.68 h2.8
  text "N" at 28.088,99.68 h2.8
  text "C" at 29.69,99.68 h2.8
  text "I" at 30.972,99.68 h2.8
  text "N" at 31.612,99.68 h2.8
  text "G" at 33.214,99.68 h2.8
  text "o" at 50.52,99.68 h2.8
  text "n" at 51.801,99.68 h2.8
  text "t" at 53.563,99.68 h2.8
  text "h" at 54.364,99.68 h2.8
  text "e" at 55.646,99.68 h2.8
  text "o" at 57.408,99.68 h2.8
  text "t" at 58.689,99.68 h2.8
  text "h" at 59.49,99.68 h2.8
  text "e" at 60.771,99.68 h2.8
  text "r" at 62.053,99.68 h2.8
  text "s" at 62.854,99.68 h2.8
  text "." at 63.815,99.68 h2.8
  text "M" at 64.936,99.68 h2.8
  text "a" at 66.859,99.68 h2.8
  text "n" at 67.98,99.68 h2.8
  text "u" at 69.261,99.68 h2.8
  text "f" at 70.543,99.68 h2.8
  text "a" at 71.344,99.68 h2.8
  text "c" at 72.465,99.68 h2.8
  text "t" at 73.426,99.68 h2.8
  text "u" at 74.227,99.68 h2.8
  text "r" at 75.509,99.68 h2.8
  text "i" at 76.309,99.68 h2.8
  text "n" at 76.95,99.68 h2.8
  text "g" at 78.232,99.68 h2.8
  text "p" at 79.834,99.68 h2.8
  text "r" at 81.115,99.68 h2.8
  text "o" at 81.916,99.68 h2.8
  text "c" at 83.197,99.68 h2.8
  text "e" at 84.159,99.68 h2.8
  text "s" at 85.44,99.68 h2.8
  text "s" at 86.401,99.68 h2.8
  text "s" at 87.843,99.68 h2.8
  text "h" at 88.804,99.68 h2.8
  text "a" at 90.085,99.68 h2.8
  text "l" at 91.207,99.68 h2.8
  text "l" at 91.847,99.68 h2.8
  text "a" at 92.969,99.68 h2.8
  text "l" at 94.09,99.68 h2.8
  text "l" at 94.731,99.68 h2.8
  text "o" at 95.371,99.68 h2.8
  text "w" at 96.653,99.68 h2.8
  text "f" at 98.896,99.68 h2.8
  text "o" at 99.696,99.68 h2.8
  text "r" at 100.978,99.68 h2.8
  text "i" at 102.259,99.68 h2.8
  text "t" at 102.9,99.68 h2.8
  text "." at 103.701,99.68 h2.8
  text "15" at 149.161,97.564 h1.52
  text "Dielectric 8" at 159.573,97.564 h1.52
  text "FR408HR" at 186.997,97.564 h1.52
  text "5,29mil" at 201.217,97.564 h1.52
  text "3,32" at 217.723,97.564 h1.52
  text "O" at 14.633,96.476 h2.8
  text "V" at 16.235,96.476 h2.8
  text "E" at 17.676,96.476 h2.8
  text "R" at 18.798,96.476 h2.8
  text "L" at 20.079,96.476 h2.8
  text "A" at 21.04,96.476 h2.8
  text "Y" at 22.482,96.476 h2.8
  text "N" at 65.328,96.476 h2.8
  text "o" at 66.93,96.476 h2.8
  text "o" at 68.692,96.476 h2.8
  text "v" at 69.973,96.476 h2.8
  text "e" at 71.095,96.476 h2.8
  text "r" at 72.376,96.476 h2.8
  text "l" at 73.177,96.476 h2.8
  text "a" at 73.818,96.476 h2.8
  text "y" at 74.939,96.476 h2.8
  text "s" at 76.541,96.476 h2.8
  text "h" at 77.502,96.476 h2.8
  text "a" at 78.784,96.476 h2.8
  text "l" at 79.905,96.476 h2.8
  text "l" at 80.546,96.476 h2.8
  text "b" at 81.667,96.476 h2.8
  text "e" at 82.948,96.476 h2.8
  text "u" at 84.711,96.476 h2.8
  text "s" at 85.992,96.476 h2.8
  text "e" at 86.953,96.476 h2.8
  text "d" at 88.235,96.476 h2.8
  text "16" at 149.161,94.516 h1.52
  text "Bottom" at 159.573,94.516 h1.52
  text "Copper" at 186.997,94.516 h1.52
  text "1,38mil" at 201.217,94.516 h1.52
  text "B" at 14.633,93.273 h2.8
  text "O" at 15.914,93.273 h2.8
  text "A" at 17.516,93.273 h2.8
  text "R" at 18.958,93.273 h2.8
  text "D" at 20.239,93.273 h2.8
  text "E" at 22.162,93.273 h2.8
  text "D" at 23.283,93.273 h2.8
  text "G" at 24.724,93.273 h2.8
  text "E" at 26.166,93.273 h2.8
  text "C" at 48.752,93.273 h2.8
  text "o" at 50.033,93.273 h2.8
  text "p" at 51.315,93.273 h2.8
  text "p" at 52.596,93.273 h2.8
  text "e" at 53.877,93.273 h2.8
  text "r" at 55.159,93.273 h2.8
  text "s" at 56.44,93.273 h2.8
  text "h" at 57.402,93.273 h2.8
  text "a" at 58.683,93.273 h2.8
  text "l" at 59.804,93.273 h2.8
  text "l" at 60.445,93.273 h2.8
  text "t" at 61.566,93.273 h2.8
  text "o" at 62.367,93.273 h2.8
  text "u" at 63.649,93.273 h2.8
  text "c" at 64.93,93.273 h2.8
  text "h" at 65.891,93.273 h2.8
  text "o" at 67.653,93.273 h2.8
  text "r" at 68.935,93.273 h2.8
  text "b" at 70.216,93.273 h2.8
  text "e" at 71.498,93.273 h2.8
  text "p" at 73.26,93.273 h2.8
  text "o" at 74.541,93.273 h2.8
  text "s" at 75.823,93.273 h2.8
  text "s" at 76.784,93.273 h2.8
  text "i" at 77.745,93.273 h2.8
  text "b" at 78.386,93.273 h2.8
  text "l" at 79.667,93.273 h2.8
  text "y" at 80.308,93.273 h2.8
  text "c" at 81.91,93.273 h2.8
  text "l" at 82.871,93.273 h2.8
  text "o" at 83.512,93.273 h2.8
  text "s" at 84.793,93.273 h2.8
  text "e" at 85.754,93.273 h2.8
  text "t" at 87.516,93.273 h2.8
  text "o" at 88.317,93.273 h2.8
  text "t" at 90.079,93.273 h2.8
  text "h" at 90.88,93.273 h2.8
  text "e" at 92.162,93.273 h2.8
  text "b" at 93.924,93.273 h2.8
  text "o" at 95.205,93.273 h2.8
  text "a" at 96.487,93.273 h2.8
  text "r" at 97.608,93.273 h2.8
  text "d" at 98.409,93.273 h2.8
  text "e" at 100.171,93.273 h2.8
  text "d" at 101.452,93.273 h2.8
  text "g" at 102.734,93.273 h2.8
  text "e" at 103.855,93.273 h2.8
  text "." at 105.137,93.273 h2.8
  text "17" at 149.161,91.468 h1.52
  text "Bottom Solder" at 159.573,91.468 h1.52
  text "SM-001" at 186.997,91.468 h1.52
  text "1,00mil" at 201.217,91.468 h1.52
  text "4" at 217.723,91.468 h1.52
Mechanical 2 (FMC Frontpanel and drills):
  circle w0.1: c64.003,60.046 r1.025
  circle w0.1: c64.003,3.496 r1.025
  lines w0.1: 52.003,5.746 64.003,5.746 cw(c64.003,3.496) 64.003,1.246 53.003,1.246 53.003,2.546 51.553,2.546 ; 52.003,5.771 52.003,57.771 ; 52.003,57.796 64.003,57.796 ccw(c64.003,60.046) 64.003,62.296 53.003,62.296 53.003,60.996 51.553,60.996 ; 58.6,4.3 62.6,4.3 ; 58.6,17.5 62.6,17.5 ; 58.6,32.5 62.6,32.5 ; 58.6,47.5 62.6,47.5 ; 58.6,59.3 62.6,59.3 ; 60.7,2.3 60.7,4.3 60.7,6.2 ; 60.7,15.5 60.7,17.5 60.7,19.4 ; 60.7,30.5 60.7,32.5 60.7,34.4 ; 60.7,45.5 60.7,47.5 60.7,49.4 ; 60.7,57.3 60.7,59.3 60.7,61.2 ; 62.825,60.05 64,60.05 ; 62.828,3.496 64.003,3.496 ; 63.003,3.496 65.003,3.496 ; 63.003,60.046 65.003,60.046 ; 63.5,62.3 53,62.3 53,1.3 79.1,1.3 ; 64,59.05 64,60.05 ; 64,61.05 64,60.05 ; 64.003,59.046 64.003,61.046 ; 64.096,58.15 64.096,60.15 64.096,62.05 ; 64.5,63.3 64.5,64.4 74.3,64.4 ; 65.4,60.05 64,60.05 ; 65.403,3.496 64.003,3.496 ; 75.3,65.4 75.3,67 ; 80.1,-2 80.1,0.3 ; 94,5.025 94,58.925 ; 117.425,1 118.6,1 ; 117.425,64 118.6,64 ; 118.6,0 118.6,1 ; 118.6,2 118.6,1 ; 118.6,63 118.6,64 ; 118.6,65 118.6,64 ; 120,1 118.6,1 ; 120,64 118.6,64 ; 49.953,2.546 cw(c50.753,2.546) 51.553,2.546 ; 49.953,2.546 49.953,60.996 ; 49.953,2.546 49.503,2.546 49.503,60.996 49.953,60.996 ; 49.953,60.996 ccw(c50.753,60.996) 51.553,60.996 ; 51.553,2.546 51.553,60.996 ; 64.003,3.496 64.003,2.496 64.003,4.496 64.003,3.496
  lines w0.635: 63.5,62.3 ccw(c63.5,63.3) 64.5,63.3 ; 74.3,64.4 ccw(c74.3,65.4) 75.3,65.4 ; 79.1,1.3 cw(c79.1,0.3) 80.1,0.3
Mechanical 5:
  drawing of 170 lines, arcs and shapes, not listed
Title Block:
  circle w0.305: c47.645,-33.39 r3.81
  lines w0.254: 45.74,-34.652 ccw(c50.185,-34.66) 46.453,-32.245 ; 54.63,-34.66 54.63,-30.215 ; 57.17,-37.835 99.08,-37.835 ; 57.17,-34.66 99.08,-34.66 ; 57.17,-31.485 99.08,-31.485 ; 71.14,-41.01 71.14,-28.31 ; 43.2,-41.01 55.9,-41.01 55.9,-28.31 43.2,-28.31 43.2,-41.01 ; 57.17,-41.01 99.08,-41.01 99.08,-28.31 57.17,-28.31 57.17,-41.01
  lines w0.305: 44.089,-34.761 45.105,-37.835 ; 47.137,-40.883 50.21,-36.209 ; 47.645,-29.58 55.265,-28.945 ; 51.379,-32.628 53.995,-41.01
  text "Number" at 58.44,-30.85 h1.91
  text "EDA-02064-V1" at 72.41,-30.85 h1.91
  text "Drawn By" at 58.44,-34.025 h1.91
  text "CEGELEC NL" at 72.41,-34.025 h1.91
  text "CERN" at 44.47,-34.279 h2.54
  text "DATE" at 58.44,-37.2 h1.91
  text "07-12-2009" at 72.41,-37.2 h1.91
  text "MOD." at 58.44,-40.375 h1.91
  text "-" at 72.41,-40.375 h1.91
  text "Print Date" at 58.44,-43.55 h1.27
  text ".Print_Date" at 73.68,-43.55 h1.27
  text ".Print_Time" at 86.38,-43.55 h1.27
  text ".Print_Scale" at 33.04,-71.49 h1.27
Mechanical 8:
  circle w0.1: c64,60.05 r1.35
  circle w0.1: c64,3.5 r1.35
  circle w0.1: c118.6,64 r1.35
  circle w0.1: c120.6,5.3 r0.65
  circle w0.1: c118.6,1 r1.35
  circle w0.1: c117.55,59.7 r0.65
  circle w0.1: c118.6,64 r2.9
  circle w0.1: c118.6,1 r2.9
  lines w0.1: 50,-11.5 51,-11.5 ; 51,-12.5 51,-11.5 ; 51,-10.5 51,-11.5 ; 52,-11.5 51,-11.5 ; 53,6.8 84,6.8 84,56.8 53,56.8 ; 60,-11.5 61,-11.5 ; 61,-12.5 61,-11.5 ; 61,-10.5 61,-11.5 ; 62,-11.5 61,-11.5 ; 63,3.5 64,3.5 ; 63,60.05 64,60.05 ; 64,2.5 64,3.5 ; 64,4.5 64,3.5 ; 64,59.05 64,60.05 ; 64,61.05 64,60.05 ; 65,3.5 64,3.5 ; 65,60.05 64,60.05 ; 116.55,59.7 117.55,59.7 ; 117.55,58.7 117.55,59.7 ; 117.55,60.7 117.55,59.7 ; 117.6,1 118.6,1 ; 117.6,64 118.6,64 ; 118.55,59.7 117.55,59.7 ; 118.6,0 118.6,1 ; 118.6,2 118.6,1 ; 118.6,63 118.6,64 ; 118.6,65 118.6,64 ; 119.6,1 118.6,1 ; 119.6,5.3 120.6,5.3 ; 119.6,64 118.6,64 ; 120.6,4.3 120.6,5.3 ; 120.6,6.3 120.6,5.3 ; 121.6,5.3 120.6,5.3 ; 125.3,7.7 126.3,7.7 ; 126.3,6.7 126.3,7.7 ; 126.3,8.7 126.3,7.7 ; 127.3,7.7 126.3,7.7 ; 217,248.5 218,248.5 ; 218,247.5 218,248.5 ; 218,249.5 218,248.5 ; 219,248.5 218,248.5
Mechanical 9:
  drawing of 514 lines, arcs and shapes, not listed
  text "OPTICAL TARGET 2x2mm" at 235.895,190.085 h2.5 r90
  text "ALL DIMENSIONS ARE IN MILLIMETERS" at 235.895,101.085 h2.5 r90
  text "Ø3.5 ±0.005" at 232.5,-1 h2 r90
  text "NOT PLATED HOLE" at 235,-1 h2 r90
Mechanical 10:
  lines w0.1: 48,-2 53,-2 53,-7 ; 48,62.3 53,62.3 53,67.3 ; 50.5,1.3 53,1.3 53,-1.2 ; 62,64.4 64.5,64.4 64.5,66.9 ; 72.8,67 75.3,67 75.3,69.5 ; 77.6,-2 80.1,-2 80.1,-4.5 ; 129.5,72 129.5,67 134.5,67 ; 134.5,-2 129.5,-2 ; 129.5,-2 129.5,-7 129.5,-2
Mechanical 14:
  lines w0.3: 75.3,67 75.3,65.4 cw(c74.3,65.4) 74.3,64.4 64.5,64.4 64.5,63.3 cw(c63.5,63.3) 63.5,62.3 53,62.3 53,1.3 79.1,1.3 cw(c79.1,0.3) 80.1,0.3 80.1,-2 137,-2 137,67 75.3,67 ; 75.3,67 75.3,67
  text "All dimensions are in mm." at 101,72.575 h1.52
Drill Drawing:
  circle w0.254: c1.127,-20.238 r0.847
  lines w0.254: 0.281,-35.902 0.704,-35.902 0.704,-36.325 1.551,-36.325 1.551,-35.902 1.974,-35.902 1.974,-35.055 1.551,-35.055 1.551,-34.632 0.704,-34.632 0.704,-35.055 0.281,-35.055 0.281,-35.902 ; 0.281,-31.668 1.127,-32.515 1.974,-31.668 1.127,-30.822 0.281,-31.668 ; 0.281,-28.705 1.127,-28.282 1.974,-28.705 1.551,-27.858 1.974,-27.012 1.127,-27.435 0.281,-27.012 0.704,-27.858 0.281,-28.705 ; 0.281,-23.202 1.974,-23.202 1.127,-24.895 0.281,-23.202
  lines w0.381: -1.238,-37.468 266.506,-37.468 ; -1.238,-18.418 266.506,-18.418 ; 12.754,-41.278 12.754,-14.608 ; 29.26,-41.278 29.26,-14.608 ; 58.969,-41.278 58.969,-14.608 ; 71.818,-41.278 71.818,-14.608 ; 90.457,-41.278 90.457,-14.608 ; 120.674,-41.278 120.674,-14.608 ; 135.656,-41.278 135.656,-14.608 ; 154.6,-41.278 154.6,-14.608 ; 175.93,-41.278 175.93,-14.608 ; 197.615,-41.278 197.615,-14.608 ; 231.489,-41.278 231.489,-14.608 ; -1.238,-41.278 266.506,-41.278 266.506,-14.608 -1.238,-14.608 -1.238,-41.278
  text "Symbol" at 1.048,-17.275 h1.83
  text "Count" at 13.897,-17.275 h1.83
  text "Hole Size" at 30.403,-17.275 h1.83
  text "Plated" at 60.112,-17.275 h1.83
  text "Hole Type" at 72.961,-17.275 h1.83
  text "Drill Layer Pair" at 91.6,-17.275 h1.83
  text "Via/Pad" at 121.817,-17.275 h1.83
  text "Pad Shape" at 136.799,-17.275 h1.83
  text "Template" at 155.743,-17.275 h1.83
  text "Description" at 177.073,-17.275 h1.83
  text "Hole Tolerance (+)" at 198.758,-17.275 h1.83
  text "Hole Tolerance (-)" at 232.632,-17.275 h1.83
  text "2" at 13.897,-21.085 h1.52
  text "1,300mm (51,18mil)" at 30.403,-21.085 h1.52
  text "NPTH" at 60.112,-21.085 h1.52
  text "Round" at 72.961,-21.085 h1.52
  text "Top - Bottom" at 91.6,-21.085 h1.52
  text "Pad" at 121.817,-21.085 h1.52
  text "Rounded" at 136.799,-21.085 h1.52
  text "c100hn130m130" at 155.743,-21.085 h1.52
  text "4" at 13.897,-24.895 h1.52
  text "2,700mm (106,30mil)" at 30.403,-24.895 h1.52
  text "PTH" at 60.112,-24.895 h1.52
  text "Round" at 72.961,-24.895 h1.52
  text "Top - Bottom" at 91.6,-24.895 h1.52
  text "Pad" at 121.817,-24.895 h1.52
  text "Rounded" at 136.799,-24.895 h1.52
  text "c500h270" at 155.743,-24.895 h1.52
  text "19" at 13.897,-28.705 h1.52
  text "2,400mm (94,49mil)" at 30.403,-28.705 h1.52
  text "PTH" at 60.112,-28.705 h1.52
  text "Round" at 72.961,-28.705 h1.52
  text "Top - Bottom" at 91.6,-28.705 h1.52
  text "Pad" at 121.817,-28.705 h1.52
  text "Rounded" at 136.799,-28.705 h1.52
  text "(Mixed)" at 155.743,-28.705 h1.52
  text "118" at 13.897,-32.515 h1.52
  text "0,300mm (11,81mil)" at 30.403,-32.515 h1.52
  text "PTH" at 60.112,-32.515 h1.52
  text "Round" at 72.961,-32.515 h1.52
  text "Top - Bottom" at 91.6,-32.515 h1.52
  text "Via" at 121.817,-32.515 h1.52
  text "Rounded" at 136.799,-32.515 h1.52
  text "v60h30m0mx0" at 155.743,-32.515 h1.52
  text "933" at 13.897,-36.325 h1.52
  text "0,200mm (7,87mil)" at 30.403,-36.325 h1.52
  text "PTH" at 60.112,-36.325 h1.52
  text "Round" at 72.961,-36.325 h1.52
  text "Top - Bottom" at 91.6,-36.325 h1.52
  text "Via" at 121.817,-36.325 h1.52
  text "Rounded" at 136.799,-36.325 h1.52
  text "(Mixed)" at 155.743,-36.325 h1.52
  text "1076 Total" at 13.897,-40.135 h1.52
Mechanical 34 [board outlines]:
  lines w0.1: 56.425,51.55 79.45,51.55 cw(c79.45,49.05) 81.95,49.05 81.95,15.05 cw(c79.45,15.05) 79.45,12.55 56.45,12.55 ccw(c56.45,9.05) 52.95,9.05 52.95,-1.95 -2.05,-1.95 -2.05,67.05 52.95,67.05 52.95,55.05 ccw(c56.45,55.05) 56.45,51.55 ; 53.375,-1.95 53.375,8.425 cw(c56.95,8.425) 56.95,12 79.5,12 ccw(c79.5,14.9) 82.4,14.9 82.4,49.05 ccw(c79.35,49.05) 79.35,52.1 56.608,52.1 cw(c56.608,55.309) 53.4,55.309 53.4,67.05 137,67.05 137,-1.95 53.375,-1.95 ; 75.699,67 75.699,67
Mechanical 35 [footprint for shield]:
  drawing of 275 lines, arcs and shapes, not listed
Mechanical 37:
  drawing of 171 lines, arcs and shapes, not listed

## Dimensions
53.375,-1.95 to 82.4,14.9 on Mechanical 1
56.95,12 to 53.375,-1.95 on Mechanical 1
56.608,52.1 to 56.95,12 on Mechanical 1
53.375,-1.95 to 137,-1.95 on Mechanical 1
137,67.05 to 137,-1.95 on Mechanical 1
103.4,68 to 104.6,68 on Mechanical 9
36,-19 to 51,-11.5 on Mechanical 9
36,-19 to 51,-11.5 on Mechanical 9

## Text inside footprints (layer, text, board x,y; h text height)
IC4: Mechanical 13 (component 3D bodies) "*" at 88.341,59.635 h1.27 r180
IC6: Mechanical 14 "M" at 94.303,38 h0.6 r270; Mechanical 14 "L" at 95.103,38 h0.6 r270; Mechanical 14 "12" at 104.303,27.5 h0.6; Mechanical 14 "11" at 104.303,28.3 h0.6; Mechanical 14 "10" at 104.303,29.1 h0.6; Mechanical 14 "9" at 104.303,29.9 h0.6; Mechanical 14 "8" at 104.303,30.7 h0.6; Mechanical 14 "7" at 104.303,31.5 h0.6; Mechanical 14 "6" at 104.303,32.3 h0.6; Mechanical 14 "5" at 104.303,33.1 h0.6; Mechanical 14 "4" at 104.303,33.9 h0.6; Mechanical 14 "3" at 104.303,34.7 h0.6; Mechanical 14 "1" at 104.303,36.3 h0.6; Mechanical 14 "2" at 104.303,35.5 h0.6; Mechanical 14 "J" at 96.703,38 h0.6 r270; Mechanical 14 "A" at 103.103,38 h0.6 r270; Mechanical 14 "B" at 102.303,38 h0.6 r270; Mechanical 14 "C" at 101.503,38 h0.6 r270; Mechanical 14 "D" at 100.703,38 h0.6 r270; Mechanical 14 "E" at 99.903,38 h0.6 r270; Mechanical 14 "F" at 99.103,38 h0.6 r270; Mechanical 14 "G" at 98.303,38 h0.6 r270; Mechanical 14 "H" at 97.503,38 h0.6 r270; Mechanical 14 "K" at 95.903,38 h0.6 r270
J2: Top Overlay "1" at 112.527,7.074 h1; Top Overlay "40" at 110.93,57.2 h1; Top Overlay "g" at 115.375,3.225 h1; Top Overlay "h" at 114.105,3.225 h1; Top Overlay "c" at 123.376,3.352 h1; Top Overlay "d" at 121.979,3.098 h1; Mechanical 14 "1" at 112.527,7.074 h1; Mechanical 14 "40" at 113.488,59.796 h1 r270; Mechanical 14 "g" at 118.369,2.629 h1; Mechanical 14 "h" at 117.044,2.519 h1; Mechanical 14 "d" at 122.145,2.502 h1; Mechanical 14 "c" at 123.521,2.519 h1